# Altium PCB SNES TST.PcbDoc (part 2 of 3)
Units mm, origin at the board's own origin, x right, y up, seen from the top; angles counter-clockwise.
Board outline 62 x 43 mm, 4 copper layers (Top Layer, Ground Layer, Power Layer, Bottom Layer), stack 1.62 mm thick; 184 components, 269 nets, 927 pads, 510 vias.
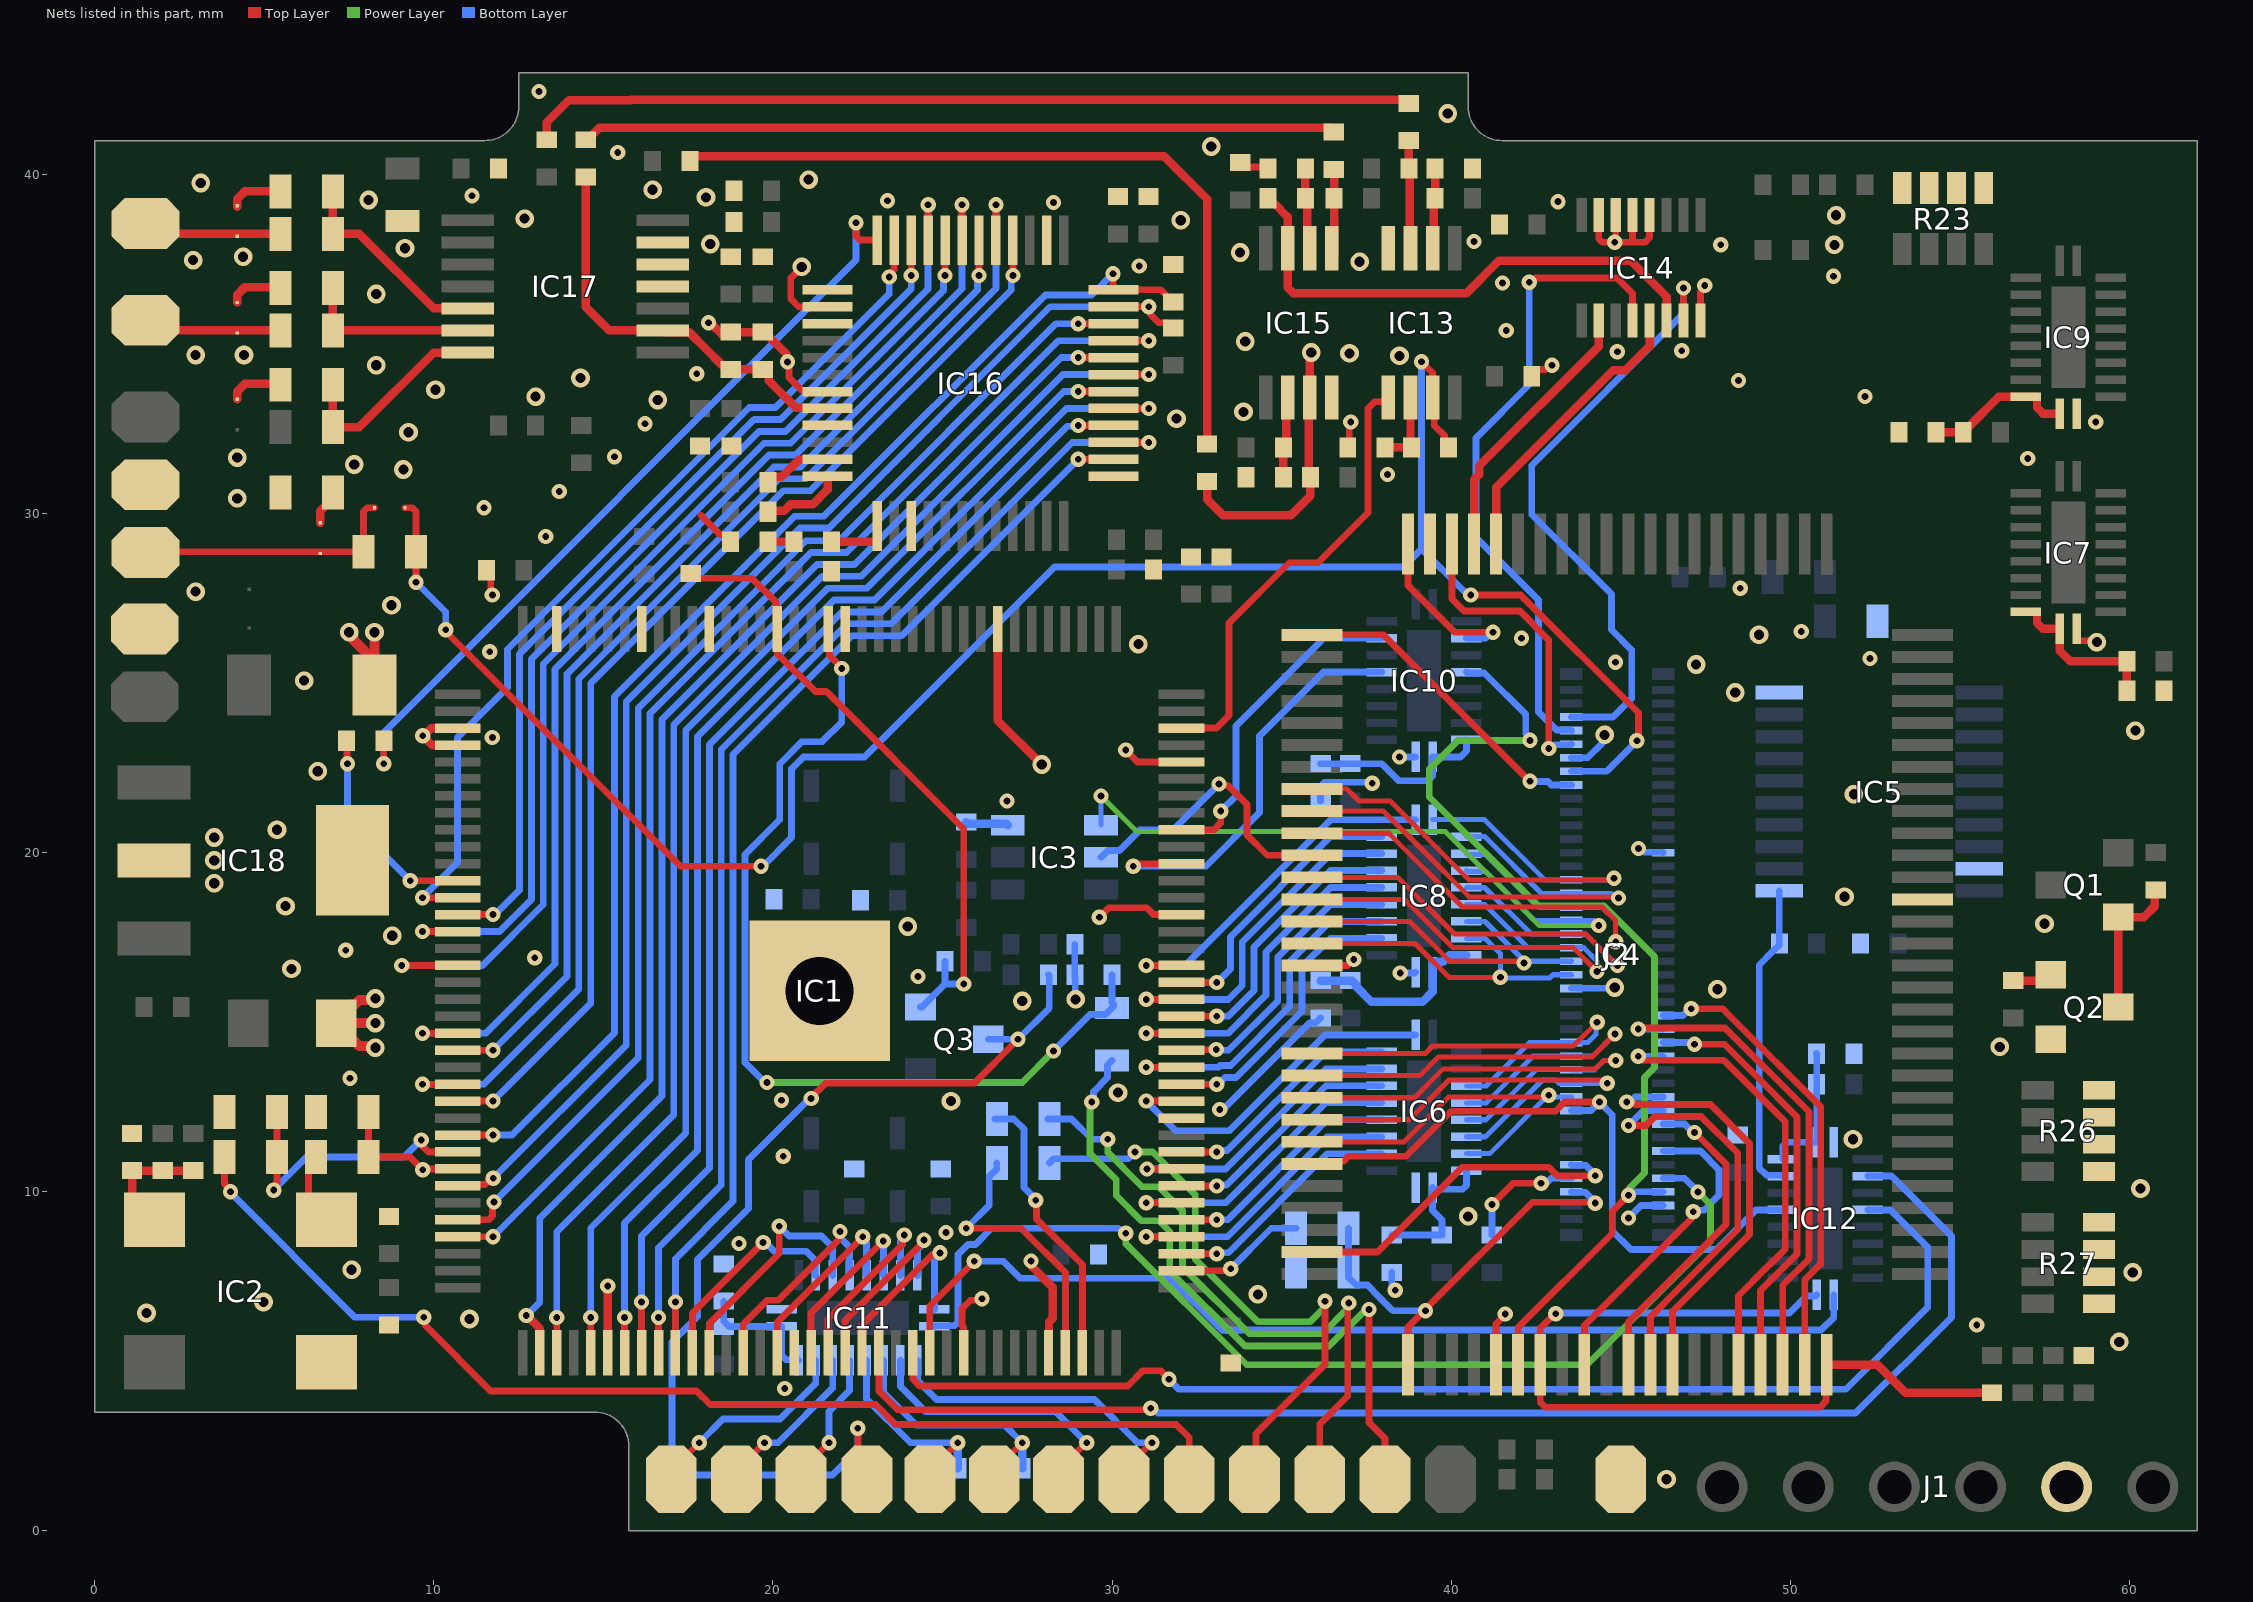
[diagram p4: the nets of this part, all layers, seen from the top]

## Via types
v1: diameter 0.45, hole 0.2, Top Layer to Bottom Layer, tented both sides, 377 vias
v2: diameter 0.55, hole 0.3, Top Layer to Bottom Layer, tented both sides, 133 vias

## Nets (pads, with @x,y where several pads share a name; then routed paths per layer and width w, separated by ;. In a path a pad name is that pad's centre, name@x,y a point inside that pad or via, vN(x,y) a via of type N, cw(c..) or ccw(c..) an arc to the next point about the centre after c; other vN are vias at no path point) (continued)
BDIG2: IC1.25 IC16.16 | length 33.3
  Top Layer w0.2: IC1.25@10.703,12.675 v1(11.745,12.675) ; v1@27.037,36.987 v1(27.075,37.025) IC16.16@27.075,38.066
  Bottom Layer w0.2: v1(11.745,12.675) 14.625,15.555 14.625,15.83 14.625,24.985 20.315,30.675 21.105,30.675 27.027,36.598 27.027,36.977 v1(27.075,37.025)
BDIG3: IC1.24 IC16.17 | length 36.5
  Top Layer w0.2: v1(9.662,13.175) IC1.24@10.703,13.175 ; IC16.17@26.575,38.066 v1(26.575,39.108)
  Bottom Layer w0.2: v1(9.662,13.175) 11.475,13.175 14.275,15.975 14.275,25.13 20.17,31.025 20.96,31.025 26.575,36.64 v1(26.575,39.108)
BDIG4: IC1.22 IC16.18 | length 31.3
  Top Layer w0.2: IC1.22@10.703,14.175 v1(11.745,14.175) ; v1@26.037,36.987 v1(26.075,37.025) IC16.18@26.075,38.066
  Bottom Layer w0.2: v1(11.745,14.175) 13.925,16.355 13.925,18.15 13.925,18.884 13.925,24.875 13.925,25.275 20.025,31.375 20.815,31.375 26.027,36.588 26.027,36.91 v1@26.075,36.957
BDIG5: IC1.21 IC16.19 | length 34.7
  Top Layer w0.2: v1(9.662,14.675) IC1.21@10.703,14.675 ; IC16.19@25.575,38.066 v1(25.575,39.108)
  Bottom Layer w0.2: v1(9.662,14.675) 11.525,14.675 13.575,16.725 13.575,18.295 13.575,18.739 13.575,24.725 13.575,25.42 19.88,31.725 20.67,31.725 25.575,36.63 v1(25.575,39.108)
BDIG6: IC1.17 IC16.20 | length 31.6
  Top Layer w0.2: v1(9.05,16.675) IC1.17@10.703,16.675 ; v1@25.037,36.987 v1(25.075,37.025) IC16.20@25.075,38.066
  Bottom Layer w0.2: v1(9.05,16.675) 11.428,16.675 13.225,18.472 13.225,24.9 13.225,25.565 19.735,32.075 20.52,32.075 25.027,36.582 25.027,36.977 v1(25.075,37.025)
BDIG7: IC1.15 IC16.21 | length 31.5
  Top Layer w0.2: v1(9.662,17.675) IC1.15@10.703,17.675 ; IC16.21@24.575,38.066 v1(24.575,39.108)
  Bottom Layer w0.2: v1(9.662,17.675) 11.933,17.675 12.875,18.617 12.875,25.425 12.875,25.71 19.59,32.425 20.375,32.425 24.575,36.625 v1(24.575,39.108)
BDIG8: IC1.14 IC16.22 | length 26.5
  Top Layer w0.2: IC1.14@10.703,18.175 v1(11.745,18.175) ; v1(24.075,37.025) IC16.22@24.075,38.066
  Bottom Layer w0.2: v1(11.745,18.175) 11.799,18.175 11.949,18.325 11.956,18.325 12.525,18.894 12.525,25.57 12.525,25.855 19.445,32.775 20.225,32.775 24.075,36.625 v1(24.075,37.025)
BDIG9: IC1.13 IC16.23 | length 26.6
  Top Layer w0.2: v1(9.662,18.675) IC1.13@10.703,18.675 ; v1(23.426,36.98) 23.426,37.043 23.575,37.192 IC16.23@23.575,38.066
  Bottom Layer w0.2: v1(9.662,18.675) 10.7,19.713 10.7,23.4 12.175,24.875 12.175,26 19.3,33.125 20.075,33.125 23.426,36.476 v1(23.426,36.98)
BLANKDAC: IC1.30 IC16.11 R58.1 | length 39.2
  Top Layer w0.2: IC1.30@10.703,10.175 10.743,10.215 11.511,10.215 11.696,10.4 v1(11.75,10.4) ; IC16.11@30.041,36.1 v1(31.083,36.1) 31.131,36.052 31.131,35.872 31.378,35.625 31.65,35.625 R58.1@31.8,35.475
  Bottom Layer w0.2: v1(11.75,10.4) 15.675,14.325 15.675,24.457 20.793,29.575 21.65,29.575 28.175,36.1 v1(31.083,36.1)
BLUE: JP5.1 R79.2 TP16.1 | length 3.5
  Top Layer w0.25: TP16.1@1.95,38.25 R79.2@5.475,38.25
BPPU: IC4.97 IC14.2 | length 8.1
  Top Layer w0.25: IC4.97@40.675,29.1 40.675,31 40.825,31.15 40.825,31.4 44.347,34.922 44.347,35.697 IC14.2@44.35,35.7
BSYS: IC14.4 J2.8 | length 19.4
  Top Layer w0.2: v1(42.3,36.825) 42.368,36.825 42.493,36.95 44.894,36.95 45.35,36.494 IC14.4@45.35,35.7
  Bottom Layer w0.2: v1(42.3,36.825) 42.3,33.8 40.733,32.233 40.733,29.297 42.575,27.456 42.575,24.15 43.11,23.615 43.53,23.615 J2.8@43.545,23.6
BURST: IC4.1 J2.16 | length 9.5
  Top Layer w0.2: IC4.1@35.9,26.425 38.006,26.425 v1(42.325,22.106)
  Bottom Layer w0.2: v1(42.325,22.106) 42.33,22.101 42.85,22.101 42.951,22 J2.16@43.545,22
CHR0: IC4.46 J2.55 | length 13.6
  Top Layer w0.2: v1(45.519,14) 45.642,13.877 48.039,13.877 49.8,12.116 49.85,12.066 49.85,8.31 49.8,8.26 48.98,7.44 48.775,7.235 48.475,6.935 IC4.46@48.475,4.9
  Bottom Layer w0.2: v1(45.519,14) J2.55@46.255,14
CHR1: IC4.47 J2.53 | length 12.6
  Top Layer w0.2: v1(47.175,14.352) 48.059,14.352 48.989,13.423 50.2,12.211 50.2,8.165 49.125,7.09 IC4.47@49.125,4.9
  Bottom Layer w0.2: J2.53@46.255,14.4 47.059,14.4 47.107,14.352 v1(47.175,14.352)
CHR2: IC4.48 J2.51 | length 14.6
  Top Layer w0.2: v1(45.519,14.8) 45.546,14.827 48.079,14.827 50.5,12.406 50.55,12.356 50.55,8.02 49.775,7.245 IC4.48@49.775,4.9
  Bottom Layer w0.2: v1(45.519,14.8) J2.51@46.255,14.8
CHR3: IC4.49 J2.49 | length 13.7
  Top Layer w0.2: v1(47.077,15.401) 48.001,15.401 48.224,15.177 50.9,12.501 50.9,7.875 50.85,7.825 50.425,7.4 IC4.49@50.425,4.9
  Bottom Layer w0.2: J2.49@46.255,15.2 46.835,15.2 v1@47.077,15.442
CIC3V0: IC1.52 IC11.6 | length 5.7
  Top Layer w0.2: IC1.52@20.125,5.253 20.125,6.15 v1(22.65,8.675)
  Bottom Layer w0.2: v1(22.65,8.675) 22.65,8.607 22.76,8.497 IC11.6@22.76,7.533
CIC3V1: IC1.54 IC11.7 | length 5.2
  Top Layer w0.2: IC1.54@21.125,5.253 21.125,6.424 v1(23.251,8.55)
  Bottom Layer w0.2: v1(23.251,8.55) 23.26,8.542 IC11.7@23.26,7.533
CIC3V2: IC1.55 IC11.8 | length 5.6
  Top Layer w0.2: IC1.55@21.625,5.253 21.625,6.249 23.822,8.447 23.822,8.677 v1(23.87,8.725)
  Bottom Layer w0.2: IC11.8@23.76,7.533 23.76,8.547 23.87,8.657 v1(23.87,8.725)
CIC3V3: IC1.56 IC11.9 | length 5.4
  Top Layer w0.2: IC1.56@22.125,5.253 22.125,6.206 24.451,8.532 v1(24.451,8.575)
  Bottom Layer w0.2: IC11.9@24.26,7.533 24.26,8.296 24.451,8.487 v1(24.451,8.575)
CIC5V0: IC11.15 R42.2 TP8.1 | length 6.5
  Top Layer w0.2: TP8.1@24.625,1.525 24.762,1.662 24.762,1.912 v1(25.45,2.6)
  Bottom Layer w0.2: IC11.15@22.76,5.033 22.76,3.89 24.05,2.6 v1(25.45,2.6)
  Bottom Layer w0.25: R42.2@25.45,1.85 v1(25.45,2.6)
CIC5V1: IC11.14 R41.2 TP9.1 | length 7.8
  Top Layer w0.2: TP9.1@26.525,1.525 26.662,1.662 26.662,1.912 v1(27.35,2.6)
  Bottom Layer w0.2: IC11.14@23.26,5.033 23.26,4.09 24.225,3.125 26.825,3.125 v1(27.35,2.6)
  Bottom Layer w0.25: R41.2@27.35,1.85 v1(27.35,2.6)
CIC5V2: IC11.13 TP10.1 | length 8.4
  Top Layer w0.2: TP10.1@28.425,1.525 28.425,1.791 29.234,2.6 v1(29.25,2.6)
  Bottom Layer w0.2: IC11.13@23.76,5.033 23.76,4.265 24.5,3.525 28.325,3.525 v1(29.25,2.6)
CIC5V3: IC11.12 TP11.1 | length 9.7
  Top Layer w0.2: TP11.1@30.35,1.525 30.35,1.791 31.159,2.6 v1(31.175,2.6)
  Bottom Layer w0.2: IC11.12@24.26,5.033 24.263,5.03 24.263,4.437 24.825,3.875 29.475,3.875 30.75,2.6 v1(31.175,2.6)
COLOR0: IC4.41 J2.65 | length 9.5
  Top Layer w0.2: IC4.41@45.225,4.9 45.225,6.16 46.425,7.36 48.1,9.035 48.1,10.825 v1@47.167,11.758
  Bottom Layer w0.2: J2.65@46.255,12 46.885,12 47.135,11.75 v1(47.175,11.75)
COLOR1: IC4.42 J2.63 | length 12.3
  Top Layer w0.2: v1(45.225,11.957) 45.228,11.959 45.75,11.959 46.016,12.225 47.372,12.225 48.45,11.147 48.45,8.89 46.775,7.215 45.875,6.315 IC4.42@45.875,4.9
  Bottom Layer w0.2: v1(45.225,11.957) 45.668,12.4 J2.63@46.255,12.4
COLOR2: IC4.43 J2.61 | length 12.8
  Top Layer w0.2: v1(45.175,12.65) 45.223,12.602 45.39,12.602 45.417,12.575 47.65,12.575 48.8,11.425 48.8,8.745 47.125,7.07 46.525,6.47 IC4.43@46.525,4.9
  Bottom Layer w0.2: v1@45.213,12.688 v1(45.175,12.65) 45.273,12.65 45.423,12.8 J2.61@46.255,12.8
CONTC3V: IC1.50 IC11.5 | length 6.4
  Top Layer w0.2: IC1.50@19.125,5.253 19.125,6.1 19.825,6.8 20.147,6.8 21.928,8.581 21.928,8.78 v1(21.976,8.828)
  Bottom Layer w0.2: v1(21.976,8.828) 22.024,8.78 22.024,8.603 22.26,8.367 IC11.5@22.26,7.533
CONTC5V: IC11.16 TP7.1 | length 4.1
  Top Layer w0.2: TP7.1@20.825,1.525 20.962,1.662 20.962,1.912 v1(21.65,2.6)
  Bottom Layer w0.2: v1(21.65,2.6) 21.65,3.525 22.26,4.135 IC11.16@22.26,5.033
CONTD3V: IC1.129 Q3.S R5.2 R83.1 | length 18.8
  Top Layer w0.2: R5.2@17.572,28.236 17.716,28.091 19.384,28.091 20.085,27.39 20.085,26.636 IC1.129@20.125,26.597 20.125,25.875 21.249,24.751 21.573,24.751 25.625,20.699 v1(25.625,16.125)
  Bottom Layer w0.2: Q3.S@24.35,15.45 24.4,15.45 25.075,16.125 ; R83.1@25.075,16.8 25.075,16.125 ; v1(25.625,16.125) 25.075,16.125
CONTD5V: Q3.D R82.1 TP21.1 | length 30.5
  Top Layer w0.2: v1(21.125,12.75) 21.125,12.775 21.55,13.2 25.925,13.2 v1(27.225,14.5) ; v1(22.5,3.025) 22.513,3.013 22.513,1.787 TP21.1@22.775,1.525
  Bottom Layer w0.2: v1(21.125,12.75) 21.075,12.75 19.275,10.95 19.275,9.504 17.775,8.004 17.775,6.325 17.025,5.575 17.025,2.275 17.65,1.65 21.75,1.65 22.5,2.4 v1(22.5,3.025) ; Q3.D@26.35,14.5 v1(27.225,14.5) 28.15,15.425 28.15,16.375 R82.1@28.125,16.4
CONTDOUT3V: IC1.48 IC11.4 | length 7.3
  Top Layer w0.2: IC1.48@18.125,5.253 18.125,6.122 20.184,8.181 v1(20.184,8.984)
  Bottom Layer w0.2: v1(20.184,8.984) 20.469,8.7 21.432,8.7 21.76,8.372 IC11.4@21.76,7.533
CONTDOUT5V: IC11.17 TP6.1 | length 4.9
  Top Layer w0.2: TP6.1@18.925,1.525 19.062,1.662 19.062,1.912 v1(19.75,2.6)
  Bottom Layer w0.2: v1(19.75,2.6) 20.15,2.6 21.76,4.21 IC11.17@21.76,5.033
CONTL3V: IC1.47 IC11.3 | length 6.3
  Top Layer w0.2: IC1.47@17.625,5.253 17.625,6.422 v1(19.709,8.506)
  Bottom Layer w0.2: v1(19.709,8.506) 19.777,8.506 20.034,8.25 20.972,8.25 21.235,7.987 21.235,7.558 IC11.3@21.26,7.533
CONTL5V: IC11.18 TP5.1 | length 6.3
  Top Layer w0.2: TP5.1@17,1.525 17.137,1.662 17.137,1.912 v1(17.825,2.6)
  Bottom Layer w0.2: v1(17.825,2.6) 18.525,3.3 20.211,3.3 21.26,4.349 IC11.18@21.26,5.033
CSYNCDAC: IC1.27 IC16.12 R66.2 | length 38
  Top Layer w0.2: IC1.27@10.703,11.675 v1(11.745,11.675) ; v1(30.025,37.075) 30.025,36.616 IC16.12@30.041,36.6 31.441,36.6 R66.2@31.799,36.242
  Bottom Layer w0.2: v1(11.745,11.675) 12.31,11.675 15.325,14.69 15.325,23.375 15.325,24.602 20.648,29.925 21.505,29.925 28.03,36.45 29.4,36.45 v1(30.025,37.075)
CSYNCI3V: IC1.100 IC10.8 | length 9.7
  Top Layer w0.2: IC1.100@32.047,20.675 33.004,20.675 33.202,20.872 v1(33.202,21.226)
  Bottom Layer w0.2: v1(33.202,21.226) 33.65,21.674 33.65,23.735 36.09,26.175 36.24,26.325 IC10.8@37.95,26.325
CSYNCI5V: IC4.100 IC10.13 | length 5.2
  Top Layer w0.2: IC4.100@38.725,29.1 38.725,27.884 40.109,26.5 v1(41.23,26.5)
  Bottom Layer w0.2: IC10.13@40.45,26.325 41.021,26.325 41.221,26.525 v1@41.275,26.525
CSYNCO3V: IC1.106 IC13.5 | length 13.6
  Top Layer w0.2: IC1.106@32.047,23.675 33.075,23.675 33.45,24.05 33.45,26.775 35.225,28.55 36.075,28.55 37.55,30.025 37.55,33.1 37.75,33.3 38.05,33.3 38.15,33.4 IC13.5@38.15,33.425
CSYNCO5V: IC13.7 J2.14 JP1.2 R44.1 R46.1 | length 60.9
  Top Layer w0.2: JP1.2@9.15,30.175 9.358,30.175 9.475,30.058 R44.1@9.475,28.875 v1(9.475,27.975) ; v1(10.35,26.575) 10.35,26.525 17.275,19.6 v1(19.65,19.6) ; v1(39.127,34.476) 39.45,34.153 IC13.7@39.45,33.425 39.5,33.375 39.5,32.6 39.8,32.3 39.8,32.15 R46.1@40,31.95 ; v1(40.575,27.6) 42.05,27.6 45.523,24.127 45.523,23.348 v1(45.475,23.3)
  Bottom Layer w0.2: v1(9.475,27.975) 10.35,27.1 v1(10.35,26.575) ; v1(19.65,19.6) 19.7,19.6 20.55,20.45 20.55,22.475 20.9,22.825 22.7,22.825 28.3,28.425 38.59,28.425 39.127,28.962 ; v1(39.127,34.476) 39.127,28.962 ; v1(40.575,27.6) 40.507,27.6 40.382,27.725 40.363,27.725 39.127,28.962 ; J2.14@43.545,22.4 44.575,22.4 v1(45.475,23.3)
D3V0: IC1.85 IC8.3 | length 8.5
  Top Layer w0.2: IC1.85@32.047,13.175 v1(33.088,13.175)
  Bottom Layer w0.2: v1(33.088,13.175) 33.13,13.175 33.33,13.375 33.65,13.375 35.6,15.325 35.6,16.64 36.435,17.475 IC8.3@37.95,17.475
D3V1: IC1.86 IC8.4 | length 10.5
  Top Layer w0.2: v1(31.005,13.675) IC1.86@32.047,13.675
  Bottom Layer w0.2: v1(31.005,13.675) 33.135,13.675 33.185,13.725 33.5,13.725 35.238,15.463 35.238,16.784 36.429,17.975 IC8.4@37.95,17.975
D3V2: IC1.87 IC8.5 | length 8.5
  Top Layer w0.2: IC1.87@32.047,14.175 32.059,14.188 33.06,14.188 v1(33.072,14.2)
  Bottom Layer w0.2: v1(33.072,14.2) 33.097,14.175 33.435,14.175 34.888,15.628 34.888,16.929 36.434,18.475 IC8.5@37.95,18.475
D3V3: IC1.88 IC8.6 | length 10.5
  Top Layer w0.2: v1(31.005,14.675) IC1.88@32.047,14.675
  Bottom Layer w0.2: v1(31.005,14.675) 33.415,14.675 34.538,15.798 34.538,17.074 36.439,18.975 IC8.6@37.95,18.975
D3V4: IC1.89 IC8.7 | length 8.4
  Top Layer w0.2: IC1.89@32.047,15.175 v1(33.088,15.175)
  Bottom Layer w0.2: v1(33.088,15.175) 33.42,15.175 34.188,15.943 34.188,17.219 36.444,19.475 IC8.7@37.95,19.475
D3V5: IC1.90 IC8.8 | length 10.5
  Top Layer w0.2: v1(31.005,15.675) IC1.90@32.047,15.675
  Bottom Layer w0.2: v1(31.005,15.675) 33.425,15.675 33.838,16.088 33.838,17.363 36.449,19.975 IC8.8@37.95,19.975
D3V6: IC1.91 IC8.9 | length 8.2
  Top Layer w0.2: IC1.91@32.047,16.175 v1(33.088,16.175)
  Bottom Layer w0.2: v1(33.088,16.175) 33.488,16.575 33.488,17.518 36.445,20.475 IC8.9@37.95,20.475
D3V7: IC1.92 IC8.10 | length 10.8
  Top Layer w0.2: v1(31.005,16.675) IC1.92@32.047,16.675
  Bottom Layer w0.2: v1(31.005,16.675) 32.15,16.675 33.343,17.868 35.413,19.938 36.45,20.975 IC8.10@38.95,20.975
D4PPU: IC3.5 IC4.11 | length 9.8
  Top Layer w0.2: v1(33.15,22.025) 33.188,21.987 33.413,21.987 33.525,21.875 33.975,21.425 33.975,20.525 34.575,19.925 IC4.11@35.9,19.925 34.625,19.925
  Bottom Layer w0.2: IC3.5@29.673,19.864 29.873,20.064 30.214,20.064 30.825,20.675 31.8,20.675 v1(33.15,22.025)
D5V0: IC4.15 IC8.18 J2.44 | length 10
  Top Layer w0.15: IC4.15@35.9,17.325 38.935,17.325 39.935,16.325 v1(41.45,16.325)
  Bottom Layer w0.15: IC8.18@40.45,17.475 41,17.475 41.45,17.025 v1(41.45,16.325) 41.475,16.3 42.9,16.3 43,16.4 J2.44@43.545,16.4
D5V1: IC4.14 IC8.17 J2.42 | length 10.5
  Top Layer w0.15: IC4.14@35.9,17.975 38.78,17.975 39.955,16.8 42.1,16.8 v1(42.15,16.75)
  Bottom Layer w0.15: IC8.17@40.45,17.975 40.995,17.975 42.132,16.838 42.185,16.785 42.225,16.745 42.22,16.75 v1@42.15,16.75 ; v1@42.2,16.8 42.202,16.798 42.265,16.798 42.268,16.8 J2.42@43.545,16.8
D5V2: IC4.13 IC8.16 J2.40 | length 14.1
  Top Layer w0.15: IC4.13@35.9,18.625 38.625,18.625 40.05,17.2 43.6,17.2 v1(44.3,16.5)
  Bottom Layer w0.15: IC8.16@40.45,18.475 40.99,18.475 42.265,17.2 43.908,17.2 44.3,16.808 v1(44.3,16.5)
D5V3: IC4.12 IC8.15 J2.38 | length 15.5
  Top Layer w0.15: IC4.12@35.9,19.275 38.425,19.275 40.1,17.6 43.967,17.6 44.891,16.676 v1(44.902,16.676)
  Bottom Layer w0.15: IC8.15@40.45,18.975 40.985,18.975 42.36,17.6 J2.38@43.545,17.6 43.549,17.596 43.971,17.596 44.891,16.676 v1(44.902,16.676)
D5V4: IC3.4 IC8.14 J2.36 | length 21.7
  Power Layer w0.15: v1(29.675,21.675) 30.725,20.625 39.825,20.625 42.599,17.851 v1(44.352,17.851)
  Bottom Layer w0.15: IC3.4@29.673,20.814 29.673,21.673 v1(29.675,21.675) ; IC8.14@40.45,19.475 40.475,19.45 41.016,19.45 42.466,18 J2.36@43.545,18 44.203,18 v1(44.352,17.851)
D5V5: IC4.10 IC8.13 J2.34 | length 16.5
  Top Layer w0.15: IC4.10@35.9,20.575 38.16,20.575 40.335,18.4 44.448,18.4 44.85,17.998 v1(44.85,17.375)
  Bottom Layer w0.15: IC8.13@40.45,19.975 40.475,19.95 41.011,19.95 42.561,18.4 J2.34@43.545,18.4 44.448,18.4 44.85,17.998 v1(44.85,17.375)
D5V6: IC4.9 IC8.12 J2.32 | length 15.3
  Top Layer w0.15: IC4.9@35.9,21.225 38.005,21.225 39.124,20.106 40.53,18.7 44.9,18.7 v1(44.934,18.665)
  Bottom Layer w0.15: IC8.12@40.45,20.475 40.99,20.475 42.665,18.8 44.718,18.8 44.853,18.665 v1(44.934,18.665)
D5V7: IC4.8 IC8.11 J2.30 | length 16.1
  Top Layer w0.15: IC4.8@35.9,21.875 36.925,21.875 37.175,21.625 37.275,21.525 38.2,21.525 40.475,19.25 40.525,19.2 44.75,19.2 v1(44.8,19.25)
  Bottom Layer w0.15: IC8.11@39.45,20.975 40.985,20.975 42.76,19.2 J2.30@43.545,19.2 44.75,19.2 v1(44.8,19.25)
DACCLK: IC16.24 R1.2 | length 23.5
  Top Layer w0.2: v1(8.525,22.625) R1.2@8.525,23.3 ; v1(22.45,38.575) 22.45,38.184 22.567,38.066 IC16.24@23.075,38.066
  Bottom Layer w0.2: v1(8.525,22.625) 8.525,23.551 22.45,37.476 v1(22.45,38.575)
EXTLATCH: IC4.29 J2.72 | length 10.3
  Top Layer w0.2: IC4.29@35.9,8.225 37.83,8.225 38.977,9.372 40.33,10.726 42.875,10.726 43.125,10.475 v1(44.25,10.475)
  Bottom Layer w0.2: J2.72@43.545,10.8 43.56,10.785 43.959,10.785 44.25,10.494 v1(44.25,10.475)
FIELD3V: IC1.98 IC10.6 | length 12.5
  Top Layer w0.2: v1(30.626,19.601) 30.694,19.601 30.768,19.675 IC1.98@32.047,19.675
  Bottom Layer w0.2: v1(30.626,19.601) 32.771,19.601 34.35,21.18 34.35,23.25 34.35,23.445 36.23,25.325 IC10.6@37.95,25.325
FIELD5V: IC4.36 IC10.15 J2.75 | length 30.6
  Top Layer w0.2: IC4.36@41.975,4.9 41.975,6 44.75,8.775 44.75,9.425 v1(45.225,9.9)
  Power Layer w0.2: v1(42.325,23.313) 40.203,23.313 39.35,22.46 39.35,21.65 42.575,18.425 44.503,18.425 45.994,16.934 45.994,13.669 45.7,13.375 45.7,12.154 ; v1(45.225,9.9) 45.273,9.948 45.273,10.13 45.7,10.557 45.7,11.551 45.7,11.76 45.7,12.153